# Altium PCB PCB1.PcbDoc (part 1 of 3)
Units mm, origin at the board's own origin, x right, y up, seen from the top; angles counter-clockwise.
Board outline 92.46 x 92.46 mm, 2 copper layers (Top Layer, Bottom Layer); 132 components, 140 nets, 526 pads, 112 vias.
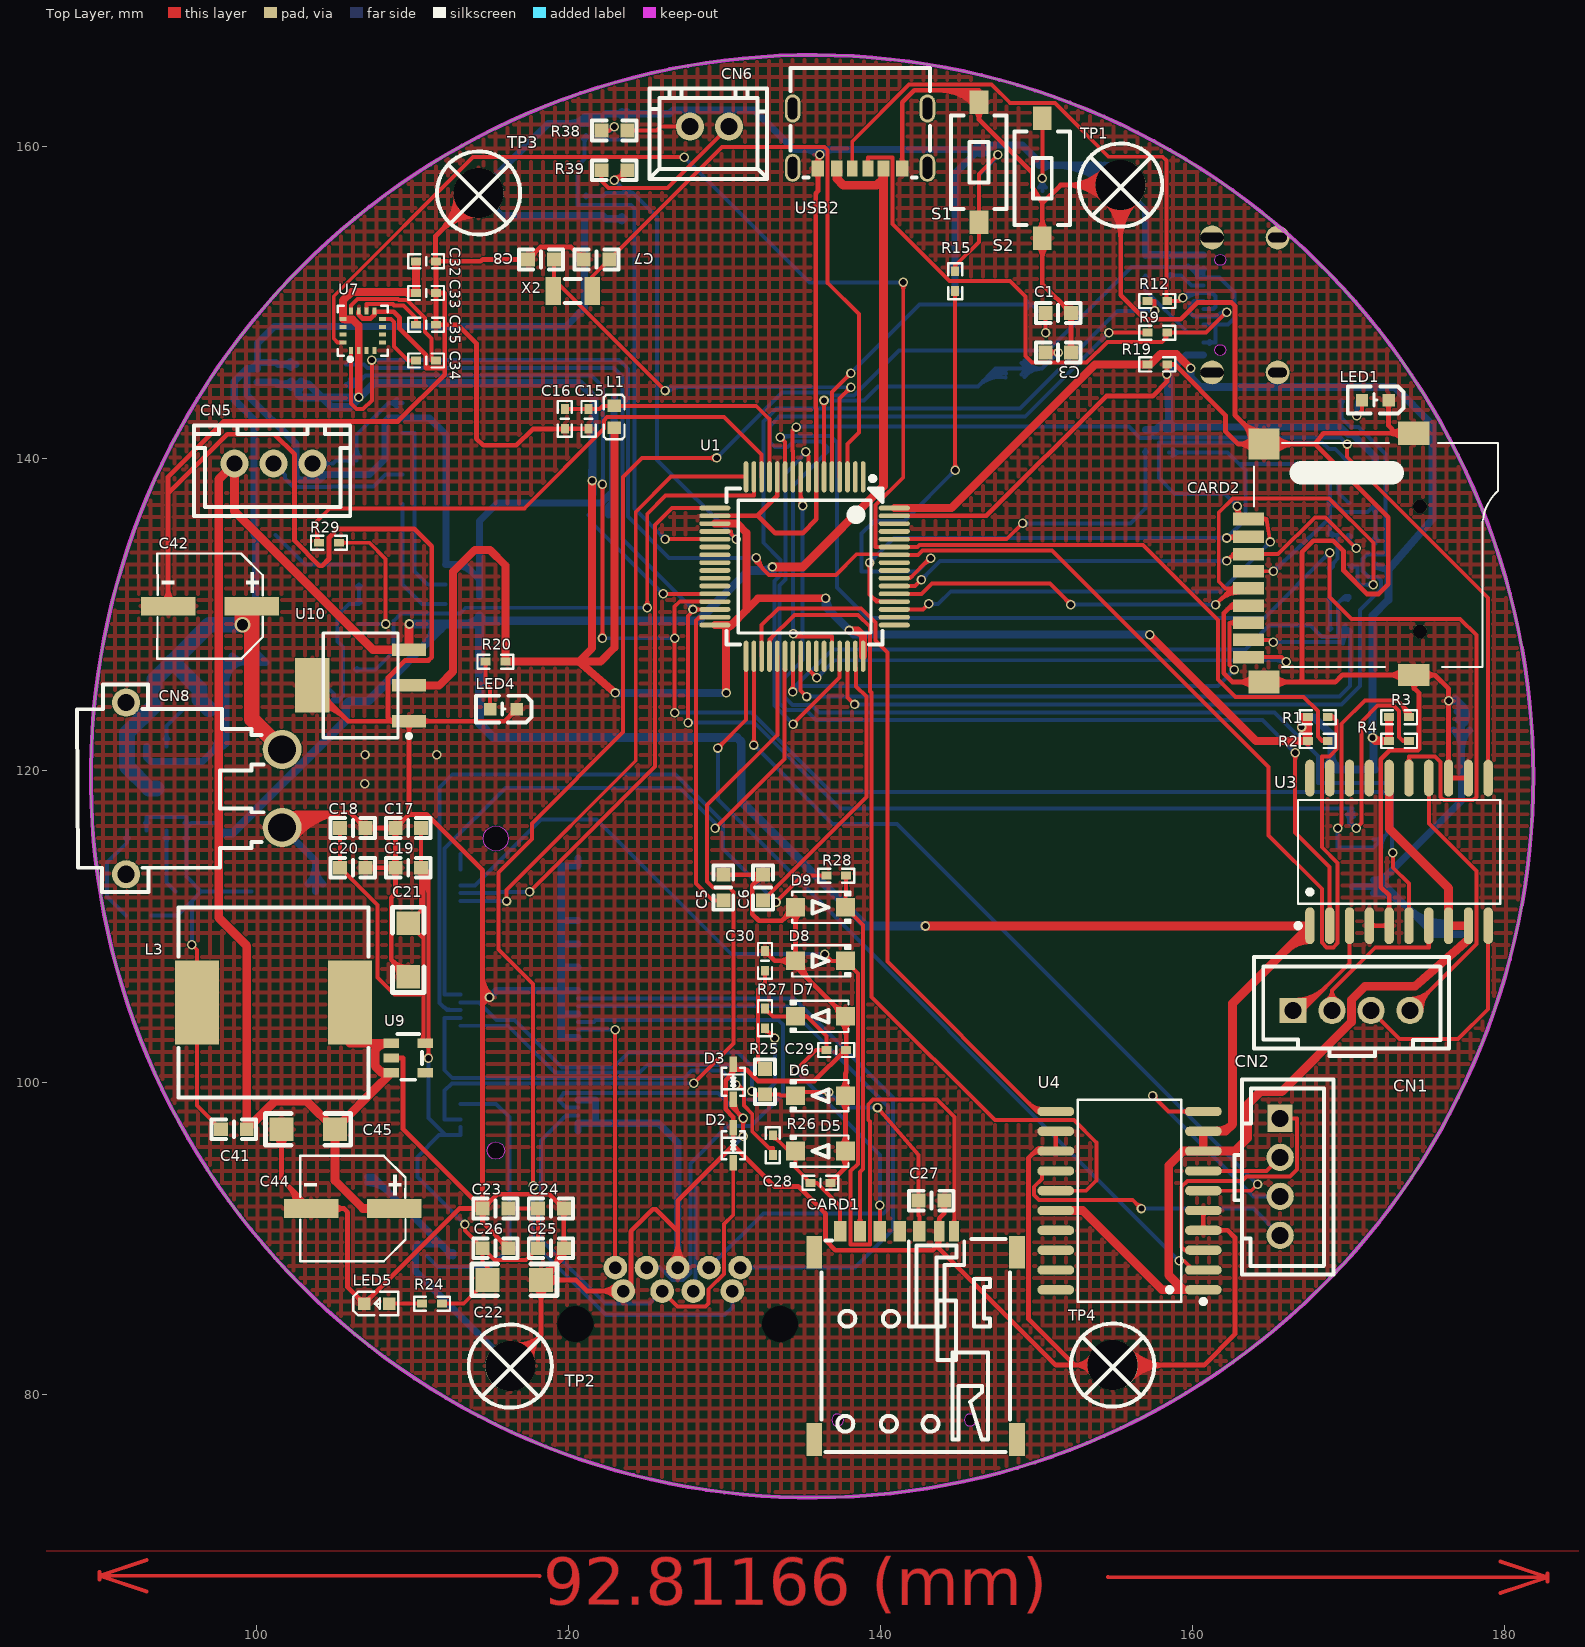
[diagram p0: Top Layer view]
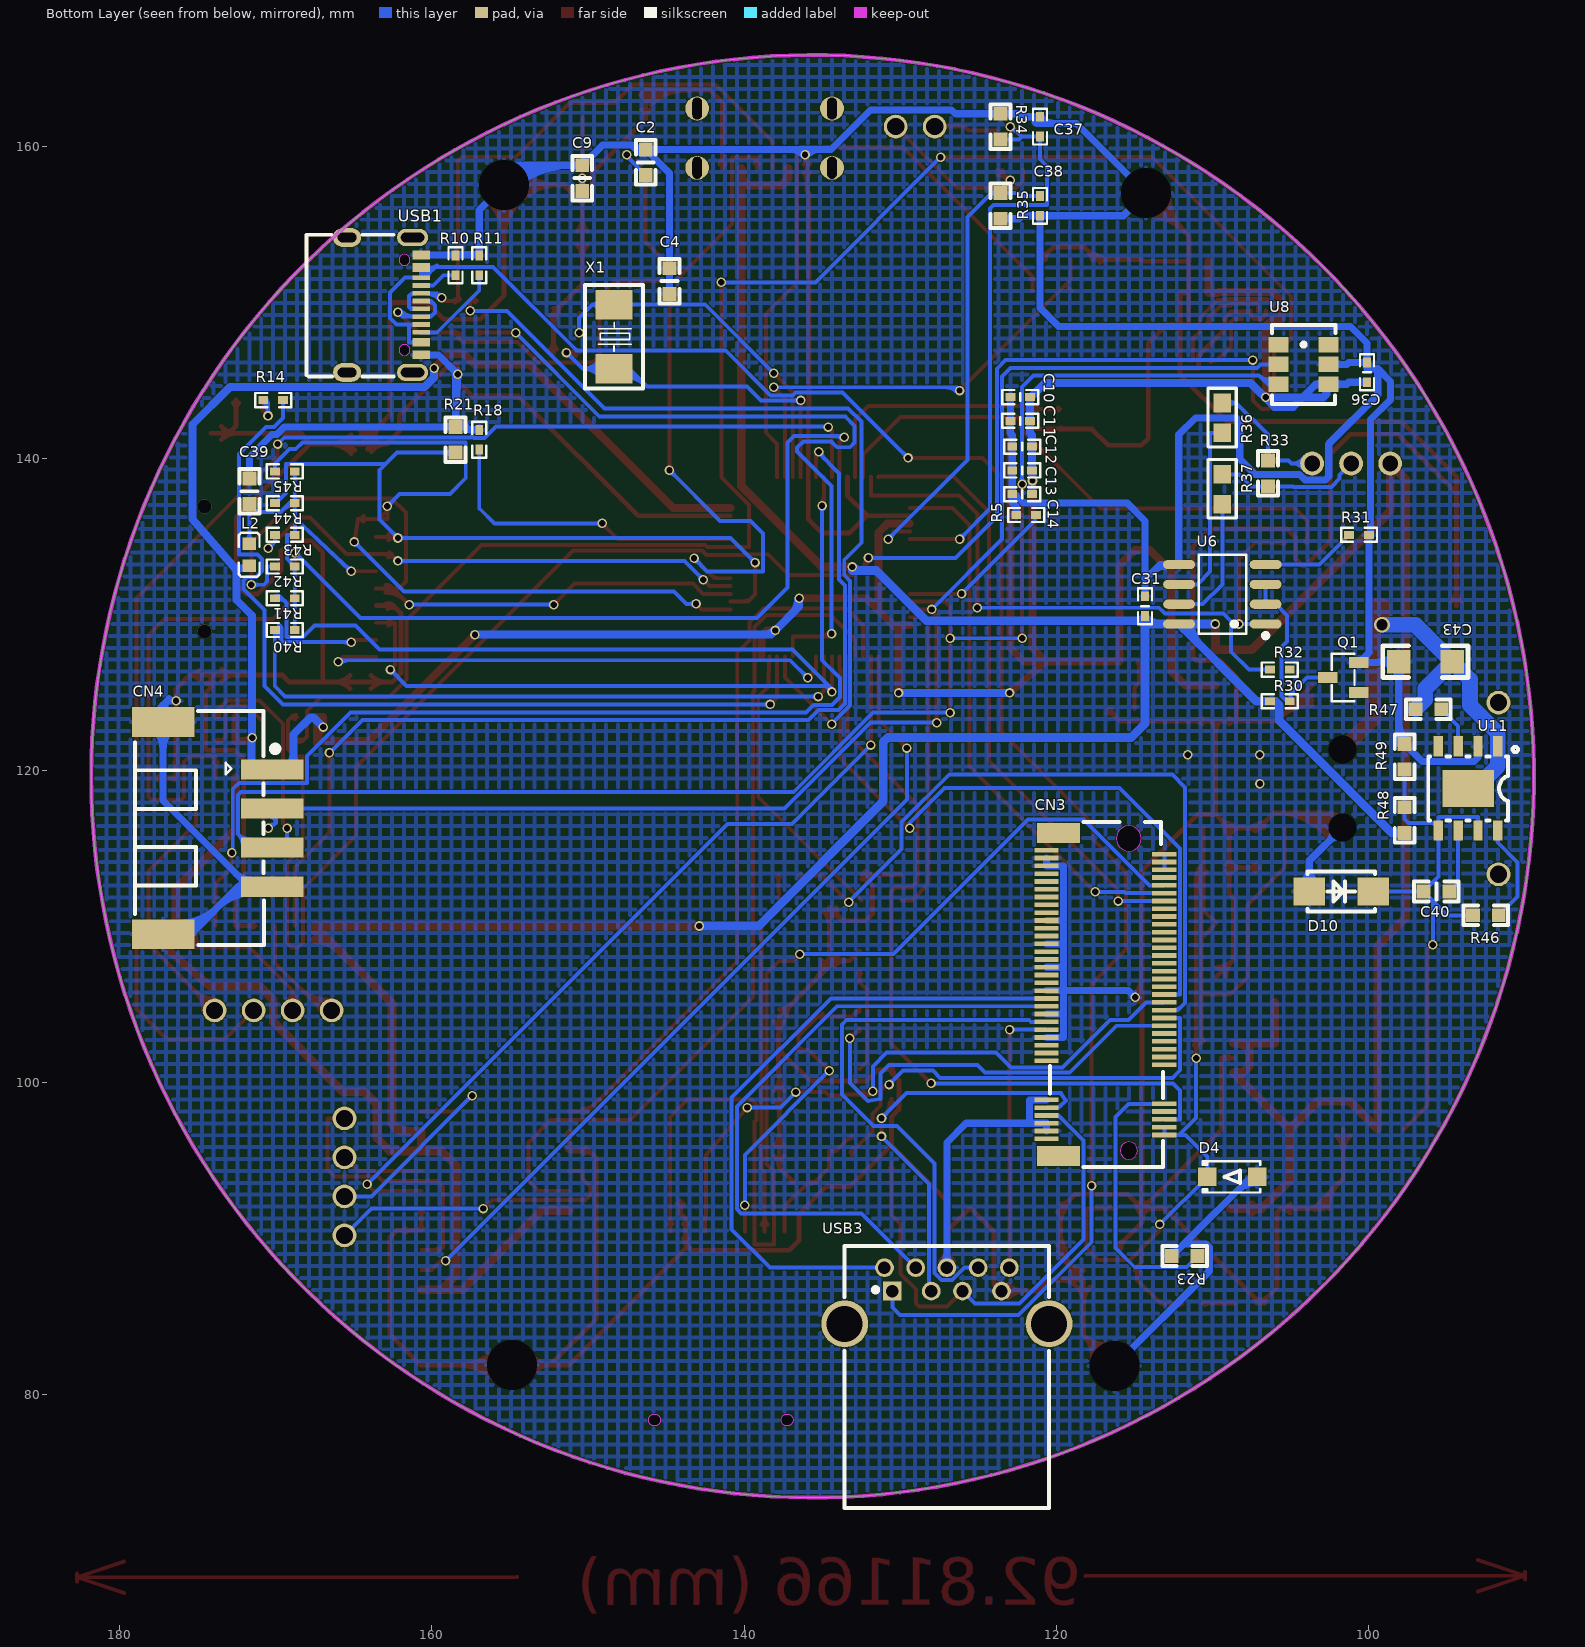
[diagram p1: Bottom Layer view, seen from below]
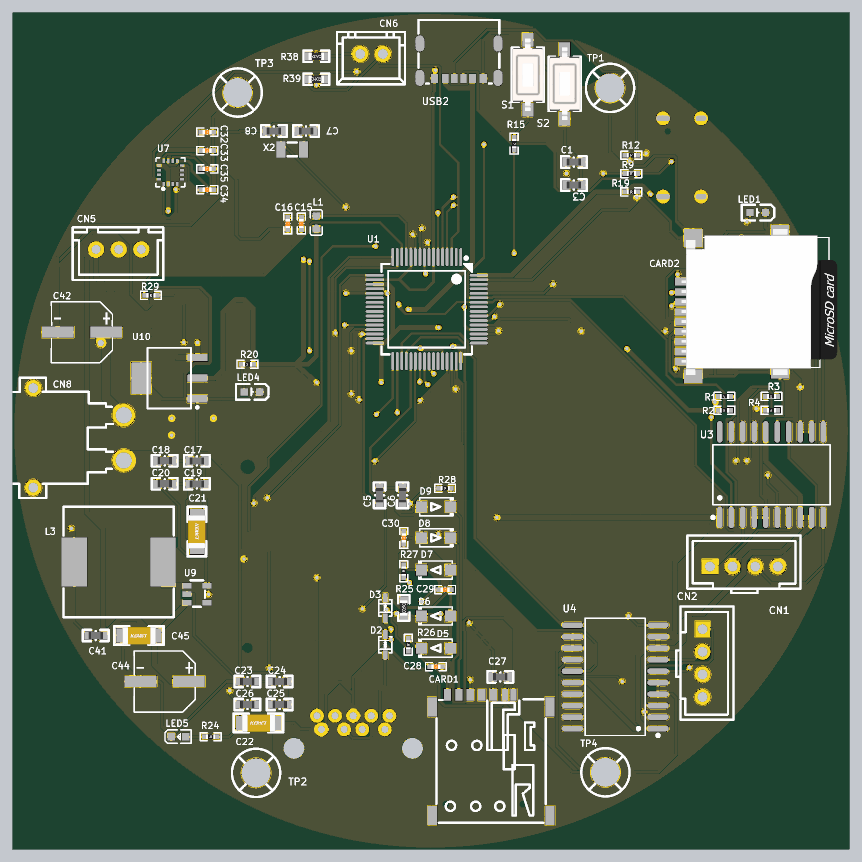
[diagram p4: 3D render of the assembled board from above, using the file's embedded part models]
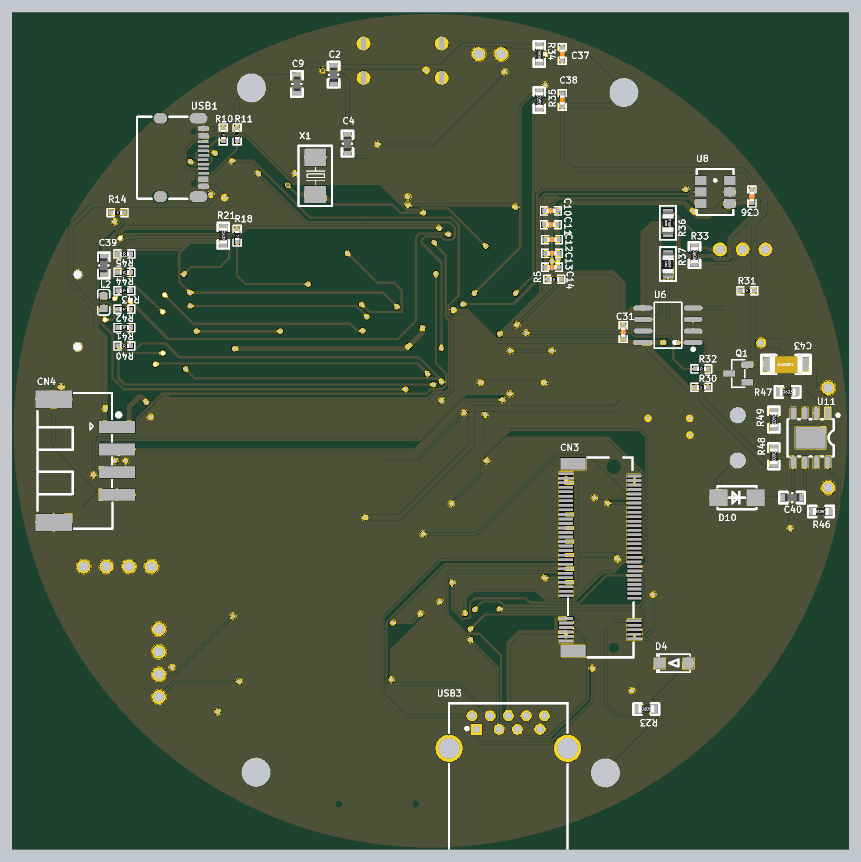
[diagram p5: 3D render of the assembled board from below, using the file's embedded part models]

## Layer stack, top to bottom
Top Layer: signal copper 0.0356
Dielectric: dielectric 0.32, FR-4, Dk 4.8
Bottom Layer: signal copper 0.0356

## Board outline
89.38,119.652 ccw(c135.609,119.652) 135.609,73.423 ccw(c135.609,119.652) 181.837,119.652 ccw(c135.609,119.652) 135.609,165.88 ccw(c135.609,119.652)

## Design rules (kind name [scope] priority, off if disabled: settings)
Clearance [All] p1: gap=0.051
HoleSize [All] p1: absolutevalues=TRUE maxlimit=25.4 minlimit=0.025 maxpercent=80.000 minpercent=20.000
MinimumSolderMaskSliver [All] p1: minsoldermaskwidth=0.076
PolygonConnect [All] p1: connectstyle=Relief reliefconductorwidth=0.254 reliefentries=4 polygonreliefangle="90 Angle"
RoutingVias BAT_HOLE [InNet('BAT')] p1: holewidth=0.711 width=1.016 viastyle="Through Hole" minholewidth=0.711 minwidth=1.016 maxholewidth=0.914 maxwidth=1.27
RoutingVias OTHER_VIA [All] p2: holewidth=0.406 width=0.61 viastyle="Through Hole" minholewidth=0.406 minwidth=0.61 maxholewidth=0.61 maxwidth=0.813
SilkToSilkClearance [All] p1: silktosilkclearance=0.025
SilkscreenOverComponentPads [All] p1: minsilkscreentomaskgap=0
SolderMaskExpansion [All] p1: expansion=0.102
Width 3V3 [InNet('3V3')] p1: maxlimit=0.635 minlimit=0.381 preferedwidth=0.508 minimp=50.000000 maximp=50.000000 favimp=50.000000
Width GND [InNet('GND')] p2: maxlimit=0.508 minlimit=0.254 preferedwidth=0.457 toplayer_prefwidth=0.305 minimp=50.000000 maximp=50.000000 favimp=50.000000
Width 5V [InNet('5V')] p3: maxlimit=0.635 minlimit=0.381 preferedwidth=0.559 minimp=50.000000 maximp=50.000000 favimp=50.000000
Width BAT [InNet('BAT')] p4: maxlimit=1.27 minlimit=1.016 preferedwidth=1.016 minimp=50.000000 maximp=50.000000 favimp=50.000000
Width Other [All] p5: maxlimit=0.254 minlimit=0.254 preferedwidth=0.254
24 further rules are at their usual default settings.

## Classes and differential pairs
component class 2: C1 C2 C3 C4 C5 C6 C7 C8 C9 C10 C11 C12 C13 C14 C15 C16 CN1 CN2 L1 LED1 LED4 R1 R2 R3 R4 R5 R9 R10 R11 R12 R14 R15 R18 R19 R20 R21 S1 S2 U1 U3 U4 U5 USB1 X1 X2
component class 3: C17 C18 C19 C20 C21 C22 C23 C24 C25 C26 CN3 D2 D3 D4 LED5 R23 R24
component class 4: C27 C28 C29 C30 CARD1 D5 D6 D7 D8 D9 R25 R26 R27 R28
component class 5: C31 C32 C33 C34 C35 C36 Q1 R29 R30 R31 R32 U6 U7 U8
component class 6: C37 C38 CN4 CN5 CN6 R33 R34 R35 R36 R37 R38 R39 TP1 TP2 TP3 TP4 USB2
component class 7: U9 U10 USB3
component class 8: C39 CARD2 L2 R40 R41 R42 R43 R44 R45
component class 9: C40 C41 C42 C43 C44 C45 CN8 D10 L3 R46 R47 R48 R49 U11

## Components (designator, comment, footprint, x,y, rotation, side; value= is the part's Value field where it differs from the comment)
C1 "100nF" 0603C 151.384,149.352 r180 top
C2 "100nF/0603" 0603C 146.304,159.004 r90 bottom
C3 "100nF" 0603C 151.384,146.812 r180 top
C4 "100nF" 0603C 144.78,151.384 r90 bottom
C5 "100nF" 0603C 129.921,112.522 r270 top
C6 "100nF" 0603C 132.461,112.522 r270 top
C7 "100nF" 0603C 121.793,152.781 r0 top
C8 "100nF" 0603C 118.237,152.781 r0 top
C9 "100nF/0603" 0603C 150.368,157.988 r90 bottom
C10 "100nF" 0402C 122.301,143.956 r180 bottom
C11 "100nF" 0402C 122.301,142.432 r180 bottom
C12 "100nF" 0402C 122.174,140.781 r180 bottom
C13 "100nF" 0402C 122.174,139.257 r180 bottom
C14 "100nF" 0402C 122.174,137.733 r180 bottom
C15 "100nF" 0402C 121.285,142.559 r90 top
C16 "100nF" 0402C 119.761,142.559 r90 top
C17 "100nF" 0603C 109.728,116.332 r0 top
C18 "100nF" 0603C 106.172,116.332 r180 top
C19 "100nF" 0603C 109.728,113.792 r0 top
C20 "100nF" 0603C 106.172,113.792 r180 top
C21 "100uF" 1206C 109.728,110.236 r270 top
C22 "100uF" 1206C 114.808,87.376 r0 top
C23 "100nF" 0603C 115.316,91.948 r0 top
C24 "100nF" 0603C 118.872,91.948 r180 top
C25 "100nF" 0603C 118.872,89.408 r180 top
C26 "100nF" 0603C 115.316,89.408 r180 top
C27 "100nF" 0603C 143.256,92.456 r180 top
C28 "33pF" 0402C 136.144,93.599 r180 top
C29 "33pF" 0402C 137.16,102.108 r180 top
C30 "33pF" 0402C 132.588,107.823 r270 top
C31 "100nF" 0402C 114.3,130.556 r270 bottom
C32 "100nF" 0402C 110.871,152.658 r0 top
C33 "100nF" 0402C 110.871,150.626 r180 top
C34 "100nF" 0402C 110.871,146.304 r180 top
C35 "100nF" 0402C 110.871,148.594 r0 top
C36 "100nF" 0402C 100.076,145.542 r90 bottom
C37 "100nF" 0402 121.031,161.29 r90 bottom
C38 "100nF" 0402 121.031,156.21 r270 bottom
C39 "100nF" 0603C 171.704,137.922 r270 bottom
C40 "100nF" 0603C 95.631,112.268 r0 bottom
C41 "100nF" 0603C 98.552,97.028 r0 top
C42 "22uF" CAP-SMD_BD6.3-L6.6-W6.6-FD 97.028,130.556 r180 top
C43 "10uF" 1206C 98.044,127 r180 bottom
C44 "22uF" CAP-SMD_BD6.3-L6.6-W6.6-FD 106.172,91.948 r180 top
C45 "10uF" 1206C 101.6,97.028 r0 top
CARD1 "SMN-303" SIM-SMD_SMN-303 142.24,83.82 r0 top
CARD2 "#NAME?" TF_SD 163.576,136.144 r270 top
CN1 "HC-XHB-4A" CONN-TH_4P-P2.50_HCTL_HC-XHB-4A 170.18,104.648 r0 top
CN2 "HC-XHB-4A" CONN-TH_4P-P2.50_HCTL_HC-XHB-4A 165.608,93.98 r270 top
CN3 "APCI0078-P002A_C7498136" NGFF-SMD_APCI0078-P002A 116.84,105.664 r90 bottom
CN4 "#NAME?" CONN-SMD_4P-P2.50_HX25003-4AWB 173.736,116.332 r270 bottom
CN5 "XH-3A" CONN-TH_XH-3A 101.092,139.7 r180 top
CN6 "XH-2A" CONN-TH_2P-P2.50_HCTL_XH-2A-X 129.032,161.29 r180 top
CN8 "XT30PW-M" CONN-TH_XT30PW-M 96.647,118.872 r270 top
D2 "PESD3V3L1BA-N" SOD-323_L1.8-W1.3-LS2.5-BI 130.556,96.012 r270 top
D3 "PESD3V3L1BA-N" SOD-323_L1.8-W1.3-LS2.5-BI 130.556,100.076 r270 top
D4 "SMF75A_C5116416" SOD-123FL_L2.8-W1.8-LS3.7-RD 108.712,93.98 r180 bottom
D5 "" SOD-123FL_L2.8-W1.8-LS3.7-RD 136.144,95.631 r0 top
D6 "" SOD-123FL_L2.8-W1.8-LS3.7-RD 136.144,99.187 r0 top
D7 "" SOD-123FL_L2.8-W1.8-LS3.7-RD 136.144,104.267 r0 top
D8 "" SOD-123FL_L2.8-W1.8-LS3.7-RD 136.144,107.823 r180 top
D9 "" SOD-123FL_L2.8-W1.8-LS3.7-RD 136.144,111.252 r180 top
D10 "#NAME?" SMAF_L4.3-W2.5-LS5.0-RD 101.727,112.268 r0 bottom
L1 "10uH" L0603 122.936,142.686 r90 top
L2 "10uH" L0603 171.704,133.858 r90 bottom
L3 "6.8uH" IND-SMD_L12.0-W12.0 101.092,105.156 r180 top
LED1 "#NAME?" LED0603-R-RD 171.704,143.764 r180 top
LED4 "#NAME?" LED0603-R-RD 115.824,123.952 r180 top
LED5 "#NAME?" LED0603-RD 107.696,85.852 r0 top
Q1 "#NAME?" SOT-23-3_L2.9-W1.3-P1.90-LS2.4-BR 101.6,125.984 r180 bottom
R1 "" 0402R 168.021,123.444 r180 top
R2 "" 0402R 168.021,121.92 r180 top
R3 "" 0402R 173.228,123.444 r180 top
R4 "" 0402R 173.228,121.92 r180 top
R5 "" 0402R 121.92,136.398 r0 bottom
R9 "" 0402R 157.734,148.082 r0 top
R10 "" 0402R 158.496,152.4 r270 bottom
R11 "" 0402R 156.972,152.4 r270 bottom
R12 "" 0402R 157.734,150.114 r0 top
R14 "" 0402R 170.18,143.764 r180 bottom
R15 "" 0402R 144.78,151.384 r270 top
R18 "" 0402R 156.972,141.224 r270 bottom
R19 "" 0402R 157.734,146.05 r0 top
R20 "" 0402R 115.316,127 r180 top
R21 "10M" 0603R 158.496,141.224 r270 bottom
R23 "4.7K" 0603R 111.76,88.9 r180 bottom
R24 "330R" 0402R 111.252,85.852 r180 top
R25 "4.7K" 0603R 132.588,100.076 r270 top
R26 "22" 0402R 133.096,96.012 r90 top
R27 "22" 0402R 132.588,104.14 r90 top
R28 "22" 0402R 137.16,113.284 r0 top
R29 "20" 0402R 104.648,134.62 r0 top
R30 "20" 0402R 105.664,124.46 r0 bottom
R31 "20" 0402R 100.584,135.128 r0 bottom
R32 "20" 0402R 105.664,126.492 r180 bottom
R33 "1K" 0603R 106.426,139.065 r270 bottom
R34 "1K" 0603R 123.571,161.29 r270 bottom
R35 "1K" 0603R 123.571,156.21 r90 bottom
R36 "200K" 0805 109.347,142.621 r90 bottom
R37 "200K" 0805 109.347,138.049 r90 bottom
R38 "1K" 0603R 122.936,161.036 r180 top
R39 "1K" 0603R 122.936,158.496 r0 top
R40 "" 0402R 169.431,129.032 r180 bottom
R41 "" 0402R 169.431,131.064 r180 bottom
R42 "" 0402R 169.431,133.096 r180 bottom
R43 "" 0402R 169.431,135.128 r180 bottom
R44 "" 0402R 169.431,137.16 r180 bottom
R45 "" 0402R 169.431,139.192 r180 bottom
R46 "0603WAF1002T5E" 0603R 92.456,110.744 r0 bottom
R47 "0603WAF1002T5E" 0603R 96.139,123.952 r180 bottom
R48 "0603WAF1002T5E" 0603R 97.663,116.84 r270 bottom
R49 "0603WAF1002T5E" 0603R 97.663,120.904 r270 bottom
S1 "SW-SPST" SW-3x6mm-SMT 146.304,159.004 r90 top
S2 "SW-SPST" SW-3x6mm-SMT 150.368,157.988 r270 top
TP1 "M3__" "PCBComponent_1 - duplicate" 155.448,157.48 r0 top
TP2 "M3__" "PCBComponent_1 - duplicate" 116.332,81.788 r0 top
TP3 "M3__" "PCBComponent_1 - duplicate" 114.3,156.972 r0 top
TP4 "M3__" "PCBComponent_1 - duplicate" 154.94,81.852 r0 top
U1 "#NAME?" LQFP-64_L10.0-W10.0-P0.50-LS12.0-BL 135.128,133.096 r180 top
U3 "L293D" SOIC-20_L13.0-W7.6-P1.27-LS10.3-BL 173.228,114.808 r0 top
U4 "L293D" SOIC-20_L13.0-W7.6-P1.27-LS10.3-BL 155.956,92.456 r90 top
U6 "#NAME?" SOIC-8_L4.9-W3.9-P1.27-LS6.0-BL 109.347,131.318 r90 bottom
U7 "#NAME?" LGA-16_L3.0-W3.0-P0.50-BL_SQ 106.807,148.209 r0 top
U8 "#NAME?" SENSOR-SMD_AHT10 104.14,146.05 r270 bottom
U9 "TLV70237DBVR" SOT-23-5_L2.9-W1.6-P0.95-LS2.8-BR 109.728,101.6 r180 top
U10 "AMS1117" SOT223_4 106.68,125.476 r180 top
U11 "ICW6208" ESOP-8_L4.9-W3.9-P1.27-LS6.0-TL-EP3.3 93.599,118.872 r270 bottom
USB1 "TYPE-C 16PIN 2MD(073)" USB-C-SMD_TYPE-C-6PIN-2MD-073 163.068,149.86 r270 bottom
USB2 "TYPE-C 6P(040_)" USB-C-SMD_TYPE-C-6P 138.684,160.528 r180 top
USB3 "HC-ST-003-01-J" USB-3.0-A-TH_HC-ST-003-01-Z 127,86.36 r180 bottom
X1 "12MHz" CRYSTAL-SMD_L5.0-W3.2 148.336,147.828 r90 bottom
X2 "32.768kHz" FC-135R_L3.2-W1.5 120.269,150.749 r180 top
